# Altium PCB тройничок.PcbDoc (part 3 of 5)
Units mm, origin at the board's own origin, x right, y up, seen from the top; angles counter-clockwise.
Board outline 158.1 x 53.48 mm, 4 copper layers (Top Layer 1, Top Layer, Bottom Layer, Bottom Layer 1), stack 0.603 mm thick; 336 components, 130 nets, 2093 pads, 689 vias.
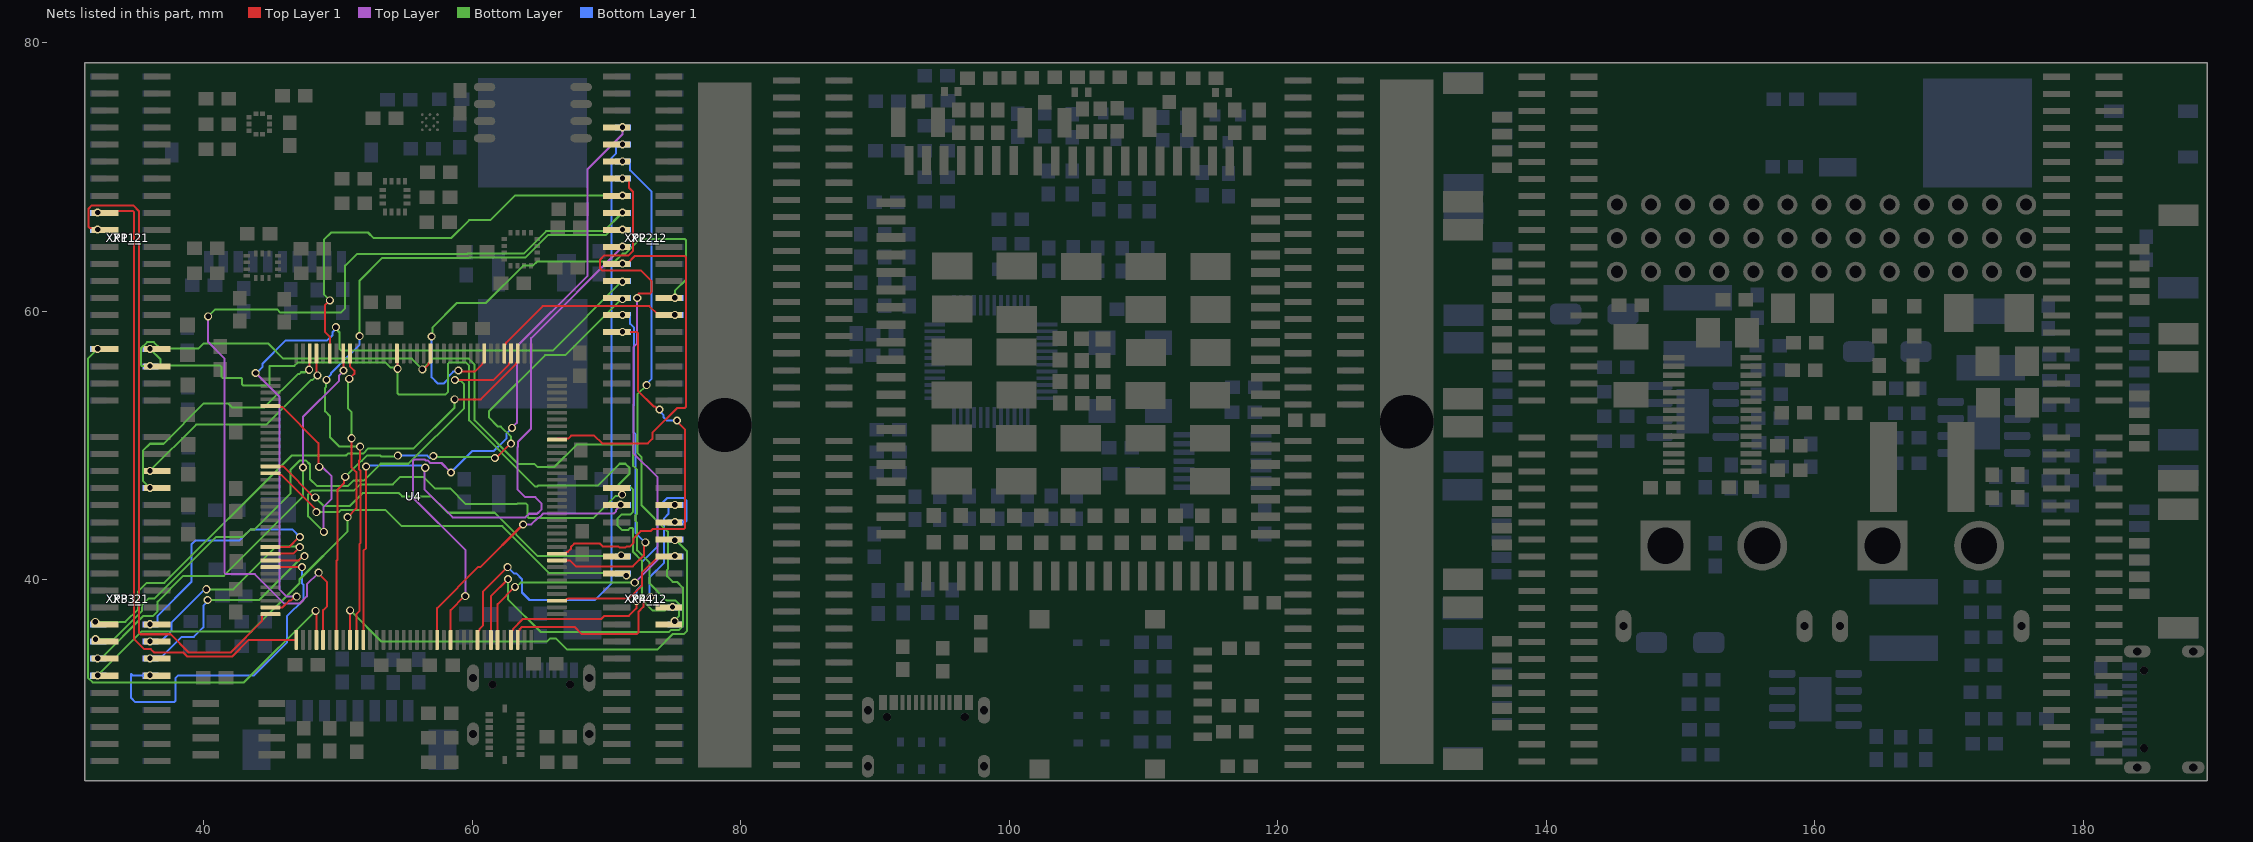
[diagram p5: the nets of this part, all layers, seen from the top]

## Via types
v1: diameter 0.6, hole 0.4, Top Layer 1 to Bottom Layer 1, 394 vias
v2: diameter 0.7, hole 0.5, Top Layer 1 to Bottom Layer 1, 186 vias
v3: diameter 0.8, hole 0.6, Top Layer 1 to Bottom Layer 1, 108 vias
v4: diameter 0.6, hole 0.3, Top Layer 1 to Bottom Layer 1, 1 vias

## Nets (pads, with @x,y where several pads share a name; then routed paths per layer and width w, separated by ;. In a path a pad name is that pad's centre, name@x,y a point inside that pad or via, vN(x,y) a via of type N, cw(c..) or ccw(c..) an arc to the next point about the centre after c; other vN are vias at no path point) (continued)
NetU4_5: U4.5 XP4_1.7 XP4_2.7 | length 43.2
  Top Layer 1 w0.15: U4.5@44.98,52.95 45.575,52.95 45.64,52.885 45.854,52.885 48.55,50.189 v1@48.55,48.418 ; XP4_1.7@70.7,46.8 71.055,46.8 71.175,46.68 v1(71.175,46.349)
  Top Layer w0.15: v1@48.625,48.425 48.719,48.331 48.927,48.331 49.541,47.717 49.541,46.047 48.935,45.442 48.935,43.597 v1(48.959,43.573)
  Bottom Layer w0.15: v1(48.959,43.573) 48.952,43.573 47.791,44.734 47.791,46.36 48.106,46.675 51.216,46.675 51.658,47.118 54.105,47.118 54.663,47.675 56.366,47.675 57.224,46.818 58.361,46.818 59.536,45.643 63.336,45.643 63.394,45.7 63.996,45.7 64.136,45.56 64.136,44.688 64.224,44.6 69.025,44.6 70.688,46.263 71.089,46.263 v1(71.175,46.349)
  Bottom Layer 1 w0.15: v1(71.175,46.349) 71.175,46.755 XP4_2.7@71.25,46.83
  other v1: 48.616,48.418
NetU4_14: U4.14 XP4_1.15 XP4_2.15 | length 29.6
  Top Layer 1 w0.15: U4.14@44.98,48.45 45.925,48.45 v1@48.25,46.125
  Bottom Layer w0.15: v1@48.332,46.143 48.332,46.126 48.958,45.5 50.889,45.5 51.862,46.473 54.539,46.473 54.787,46.225 56.968,46.225 58.193,45 61.677,45 64.902,41.775 71.05,41.775 v1(71.1,41.825)
  other v1: 48.316,46.143
NetU4_15: U4.15 XP4_1.17 XP4_2.17 | length 29.6
  Top Layer 1 w0.15: U4.15@44.98,47.95 45.575,47.95 45.71,47.815 45.788,47.815 v1@48.314,45.289
  Bottom Layer w0.15: v1(48.4,45.05) 50.073,45.05 50.223,45.2 53.566,45.2 54.766,44 62.252,44 65.748,40.505 70.895,40.505 70.991,40.409 71.409,40.409 v1(71.495,40.323)
NetU4_26: U4.26 XP3_1.24 XP3_2.24 | length 18.7
  Top Layer 1 w0.15: U4.26@44.98,42.45 46.375,42.45 v1@47.1,43.175
  Bottom Layer 1 w0.15: v1(36.005,36.695) 36.45,36.695 36.575,36.82 36.575,37.322 39.1,39.847 39.1,42.65 39.4,42.95 42.681,42.95 43.498,43.768 46.591,43.768 v1(47.166,43.193)
NetU4_27: U4.27 XP3_1.26 XP3_2.26 | length 16.9
  Top Layer 1 w0.15: U4.27@44.98,41.95 46.671,41.95 v1(47.161,42.439)
  Bottom Layer w0.15: v1(40.2,39.3) 42.223,39.3 45.416,42.493 47.107,42.493 v1(47.161,42.439)
  Bottom Layer 1 w0.15: v1(36.005,35.425) 36.825,35.425 37.616,36.216 37.616,36.834 40.082,39.3 v1(40.2,39.3)
NetU4_28: U4.28 XP3_1.28 XP3_2.28 | length 18.3
  Top Layer 1 w0.15: U4.28@44.98,41.45 47.09,41.45 47.41,41.77 v1(47.512,41.77)
  Bottom Layer w0.15: v1(40.3,38.5) 44.133,38.5 47.402,41.77 v1(47.512,41.77)
  Bottom Layer 1 w0.15: v1(36.005,34.155) 36.13,34.28 36.887,34.28 38.357,35.75 39.268,35.75 39.975,36.457 39.975,38.083 40.3,38.408 v1(40.3,38.5)
NetU4_29: U4.29 XP3_1.30 XP3_2.30 | length 26.3
  Top Layer 1 w0.15: U4.29@44.98,40.95 v1(47.325,40.95)
  Bottom Layer 1 w0.15: v1(36.005,32.885) 34.715,32.885 34.6,33 34.6,31.2 34.9,30.9 37.812,30.9 37.9,30.988 37.9,32.685 38.1,32.885 43.753,32.885 46.2,35.332 46.2,37.283 47.45,38.533 47.45,39.618 47.325,39.743 v1(47.325,40.95)
NetU4_35: U4.35 XP2_1.25 XP2_2.25 | length 53.4
  Top Layer 1 w0.15: U4.35@44.98,37.95 45.875,37.95 46.376,38.451 46.504,38.451 46.803,38.75 v1(46.925,38.75)
  Top Layer w0.15: v1(43.875,55.41) 45.656,53.629 45.656,39.769 45.65,39.764 45.65,39.308 46.208,38.75 v1(46.925,38.75)
  Bottom Layer w0.15: v1(49.85,58.825) 49.85,58.703 50.125,58.428 50.125,57.213 50.263,57.075 65.995,57.075 71.125,62.205 v1(71.205,62.205)
  Bottom Layer 1 w0.15: v1(43.875,55.41) 43.949,55.41 44.4,55.86 44.4,56.119 46.093,57.813 49.188,57.813 49.601,58.226 49.601,58.454 49.85,58.703 v1(49.85,58.825)
NetU4_36: U4.36 XP1_1.19 XP1_2.19 | length 49.4
  Top Layer 1 w0.15: v1(32.105,66.095) 31.979,66.22 31.505,66.22 31.425,66.3 31.425,67.658 31.656,67.89 34.747,67.89 35.2,67.436 35.2,36.038 35.288,35.95 37.544,35.95 38.901,34.593 42.008,34.593 44.355,36.939 44.355,37.385 44.42,37.45 U4.36@44.98,37.45
NetU4_37: U4.37 XP1_1.17 XP1_2.17 | length 47.7
  Top Layer 1 w0.15: v1(32.105,67.365) 32.215,67.475 34.737,67.475 34.825,67.387 34.825,35.582 35.57,34.837 36.065,34.837 36.309,34.593 38.476,34.593 38.776,34.293 42.132,34.293 43.37,35.53 U4.37@46.9,35.53
NetU4_40: U4.40 XP1_1.33 XP1_2.33 | length 46.2
  Top Layer 1 w0.15: U4.40@48.4,35.53 v1@48.4,37.6
  Bottom Layer w0.15: v1(32.105,57.205) 31.403,56.503 31.403,32.684 31.728,32.36 43.008,32.36 48.273,37.625 v1@48.375,37.625
  other v1: 48.341,37.693
NetU4_41: U4.41 XP2_1.17 XP2_2.17 | length 70.6
  Top Layer 1 w0.15: v1@48.5,40.525 49.2,39.825 49.2,38.04 48.9,37.74 U4.41@48.9,35.53
  Top Layer w0.15: v1(40.335,59.625) 40.335,57.716 41.575,56.476 41.575,54.678 41.544,54.648 41.544,40.543 41.663,40.425 43.817,40.425 46.017,38.225 47.142,38.225 47.686,38.769 47.686,39.663 48.525,40.502 v1@48.525,40.525
  Bottom Layer w0.15: v1(40.335,59.625) 40.86,60.15 45.472,60.15 45.722,59.9 50.212,59.9 50.55,60.238 50.55,63.4 51.436,64.286 59.657,64.286 59.671,64.3 63.838,64.3 65.513,65.975 69.815,65.975 v1(71.205,67.365)
  other v1: 48.566,40.543
NetU4_43: U4.43 XP2_1.27 XP2_2.27 | length 42.8
  Top Layer 1 w0.15: U4.43@49.9,35.53 49.9,41.42 49.975,41.495 49.975,46.725 50.464,47.214 50.464,47.589 v1(50.55,47.675) ; v1(61.7,49.075) 61.763,49.075 62.838,50.15 v1(62.9,50.15)
  Bottom Layer w0.15: v1(50.55,47.675) 51.747,48.872 51.78,48.872 52.182,49.275 53.142,49.275 53.242,49.175 54.4,49.175 v1(54.475,49.25) ; v1(57.115,49.23) 57.192,49.152 61.623,49.152 v1(61.7,49.075) ; v1(62.9,50.15) 62.9,50.659 62.139,51.42 61.928,51.42 61.241,52.108 61.241,52.542 65.434,56.736 66.926,56.736 71.105,60.915 v1(71.205,60.915)
  Bottom Layer 1 w0.15: v1(54.475,49.25) 56.663,49.25 56.838,49.075 56.993,49.23 v1(57.115,49.23)
NetU4_45: U4.45 XP4_1.14 XP4_2.14 | length 36.4
  Top Layer 1 w0.15: U4.45@50.9,35.53 50.911,35.541 50.911,37.718 v1(50.921,37.729)
  Bottom Layer w0.15: v1@50.975,37.625 51.025,37.625 53.25,35.4 65.563,35.4 65.808,35.645 66.242,35.645 67.087,34.8 73.787,34.8 74.962,35.975 75.787,35.975 76,36.188 76,42.149 75.185,42.965 v1(75.105,42.965)
NetU4_46: U4.46 XP2_1.19 XP2_2.19 | length 51.2
  Top Layer 1 w0.15: U4.46@51.4,35.53 51.4,37.465 51.6,37.665 51.6,42.666 51.675,42.741 51.675,48.141 51.578,48.238 51.578,48.902 51.666,48.99 v1(51.666,49.925)
  Bottom Layer w0.15: v1(49.154,54.904) 49.135,54.885 49.135,54.379 49.06,54.304 49.06,52.55 49.416,52.194 49.416,50.6 ; 49.45,50.6 50.125,49.925 v1(51.666,49.925) ; v1(51.625,58.15) 51.625,62.3 53.311,63.986 59.782,63.986 59.795,64 63.963,64 65.638,65.675 69.939,65.675 70.359,66.095 v1(71.205,66.095)
  Bottom Layer 1 w0.15: v1(49.154,54.904) 49.154,54.965 49.494,55.305 49.494,55.412 50.711,56.628 50.728,56.628 51.625,57.525 51.625,58.075 51.65,58.1 51.625,58.125 v1(51.625,58.15)
NetU4_47: U4.47 XP2_1.21 XP2_2.21 | length 53
  Top Layer 1 w0.15: U4.47@51.9,35.53 51.9,42.155 52.1,42.355 52.1,48.441 v1(52.103,48.445)
  Top Layer w0.15: v1@56.45,48.35 56.45,46.743 58.543,44.65 63.966,44.65 64.241,44.925 64.825,44.925 64.9,45 64.936,45 65.186,45.25 65.186,45.685 64.704,46.168 63.948,46.168 63.399,46.717 63.399,49.906 63.425,49.933 63.425,50.307 64.391,51.273 64.391,58.011 v1(71.205,64.825)
  Bottom Layer 1 w0.15: v1(52.103,48.445) 52.178,48.519 56.219,48.519 56.388,48.35 v1(56.51,48.35)
NetU4_58: U4.58 XP4_1.9 XP4_2.9 | length 19.3
  Top Layer 1 w0.15: U4.58@57.4,35.53 57.4,37.9 60.473,40.973 60.641,40.973 63.793,44.125 v1(63.797,44.125)
  Top Layer w0.15: v1(63.797,44.125) 63.804,44.132 64.413,44.132 64.907,44.625 64.949,44.625 65.024,44.7 65.06,44.7 65.303,44.943 70.563,44.943 70.721,45.101 70.721,45.207 71.064,45.55 v1(71.064,45.607)
NetU4_60: U4.60 XP2_1.7 XP2_2.7 | length 50.5
  Top Layer 1 w0.15: U4.60@58.4,35.53 58.4,37.75 v1@59.425,38.775
  Top Layer w0.15: v1@58.375,48.05 57.72,48.705 56.898,48.705 56.727,48.875 56.558,48.875 56.458,48.975 55.688,48.975 55.6,48.887 55.6,46.126 59.491,42.235 v1(59.491,38.793) ; v1(62.976,51.326) 62.976,51.338 63.341,51.703 63.341,57.385 68.585,62.629 68.585,70.567 71.205,73.187 v1(71.205,73.715)
  Bottom Layer 1 w0.15: v1(58.425,48) 60.025,49.6 61.608,49.6 62.566,50.558 62.566,50.916 v1(62.976,51.326)
NetU4_64: U4.64 XP2_1.9 XP2_2.9 | length 49.4
  Top Layer 1 w0.15: U4.64@60.4,35.53 60.4,36.125 60.535,36.26 60.535,36.338 60.825,36.628 60.825,39.15 62.625,40.95 v1(62.65,40.95)
  Bottom Layer 1 w0.15: v1(62.65,40.95) 63.138,40.462 63.314,40.462 63.716,40.06 63.716,39.059 64.275,38.5 ; 64.275,38.493 69.143,38.493 70.375,39.725 70.375,71.418 70.725,71.768 70.725,72.27 70.9,72.445 v1(71.205,72.445)
NetU4_66: U4.66 XP2_1.11 XP2_2.11 | length 58.6
  Top Layer 1 w0.15: U4.66@61.4,35.53 61.4,38.775 v1(62.675,40.05)
  Bottom Layer w0.15: v1(62.675,40.05) 62.666,40.041 62.666,38.568 65.133,36.1 74.663,36.1 74.838,36.275 75.428,36.275 75.688,36.535 75.688,36.612 75.7,36.625 75.7,39.413 75.263,39.85 74.937,39.85 74.525,40.262 74.525,40.738 74.58,40.793 74.58,43.598 72.6,45.577 72.6,49.166 72.313,49.453 72.313,53.813 v1(73,54.5)
  Bottom Layer 1 w0.15: v1(71.205,71.175) 71.6,71.175 71.775,71 71.775,70.498 73.375,68.898 73.375,54.974 73,54.599 v1(73,54.5)
NetU4_67: U4.67 XP2_1.13 XP2_2.13 | length 52
  Top Layer 1 w0.15: U4.67@61.9,35.53 61.9,38.184 v1(63.191,39.475) ; v1(71.205,69.905) 71.5,69.905 71.675,69.73 71.675,69.228 71.975,68.928 71.975,64.482 71.658,64.165 69.842,64.165 69.525,63.848 69.525,63.212 69.707,63.03 72.588,63.03 73.375,62.242 73.375,61.45 73.25,61.325 72.388,61.325 72.386,61.323 72.386,61.086 v1(72.3,61)
  Top Layer w0.15: v1(72.117,39.798) 73.825,41.506 73.825,44.134 73.825,47.632 72.013,49.444 72.013,57.338 72.3,57.626 v1(72.3,61)
  Bottom Layer w0.15: v1(63.191,39.475) 63.288,39.475 63.611,39.798 v1(72.117,39.798)
NetU4_69: U4.69 XP4_1.12 XP4_2.12 | length 23.8
  Top Layer 1 w0.15: U4.69@62.9,35.53 62.9,36.125 63.035,36.26 63.035,36.338 63.782,37.085 69.622,37.085 69.862,37.325 71.678,37.325 72.236,37.883 v1(72.236,38.411)
  Bottom Layer 1 w0.15: v1(72.236,38.411) 72.236,39.175 72.642,39.58 72.642,41.317 73.825,42.5 73.825,45.378 74.556,46.11 75.744,46.11 75.975,45.878 75.975,44.403 75.887,44.315 v1(75.105,44.315)
NetU4_70: U4.70 XP4_1.10 XP4_2.10 | length 20.9
  Top Layer 1 w0.15: U4.70@63.4,35.53 63.4,36.125 63.535,36.26 63.535,36.338 63.687,36.49 67.63,36.49 68.134,35.986 72.298,35.986 72.386,36.074 72.386,37.609 72.761,37.984 72.761,38.261 73.213,38.713 v1(73.28,38.713)
  Bottom Layer 1 w0.15: v1(73.28,38.713) 73.2,38.793 73.2,40.175 74.3,41.275 74.3,44.583 74.625,44.908 74.625,45.41 74.8,45.585 v1(75.105,45.585)
NetU4_75: U4.75 XP4_1.16 XP4_2.16 | length 10.7
  Top Layer 1 w0.15: U4.75@66.32,38.45 66.915,38.45 67.05,38.585 67.128,38.585 67.143,38.6 71.683,38.6 72.642,39.558 72.642,40.517 73.9,41.775 v1(75.105,41.775)
NetU4_81: U4.81 XP2_1.29 XP2_2.29 | length 26
  Top Layer 1 w0.15: U4.81@66.32,41.45 67.28,41.45 67.73,41 71.967,41 72.818,41.851 72.818,42.718 v1(72.9,42.8)
  Bottom Layer 1 w0.15: v1(71.205,59.745) 71.6,59.745 71.775,59.57 71.775,59.068 72.075,58.768 72.075,53.052 72.013,52.989 72.013,51.021 72.175,50.858 72.175,43.483 72.858,42.8 v1(72.9,42.8)
NetU4_82: U4.82 XP2_1.31 XP2_2.31 | length 28.6
  Top Layer 1 w0.15: U4.82@66.32,41.95 66.915,41.95 67.05,42.085 67.128,42.085 67.367,42.325 67.367,42.46 67.607,42.7 69.527,42.7 69.727,42.5 70.887,42.5 70.962,42.425 71.438,42.425 71.513,42.5 71.773,42.5 72.025,42.752 72.025,43.092 72.558,43.625 73.288,43.625 73.452,43.79 75.777,43.79 75.875,43.888 75.875,51.175 v1@75.2,51.85 ; v1(71.205,58.475) 72.262,58.475 72.35,58.387 72.35,54.083 73.513,52.92 73.611,52.92 73.836,52.695 v1(73.958,52.695)
  Bottom Layer 1 w0.15: v1(73.958,52.695) 73.958,52.581 74.272,52.267 74.272,52.096 74.5,51.868 v1(75.266,51.868)
NetU4_99: U4.99 XP2_1.23 XP2_2.23 | length 27.5
  Top Layer 1 w0.15: U4.99@66.32,50.45 66.385,50.515 67.148,50.515 67.383,50.75 69.097,50.75 69.679,50.168 73.083,50.168 73.425,50.509 73.425,50.958 75.267,52.8 75.837,52.8 75.925,52.888 75.925,64.037 75.837,64.125 72.12,64.125 71.55,63.555 v1(71.205,63.555)
NetU4_111: U4.111 XP3_1.23 XP3_2.23 | length 41.3
  Top Layer 1 w0.15: v1(58.7,53.45) 60.653,53.45 63.265,56.062 63.265,56.14 63.4,56.275 U4.111@63.4,56.87
  Bottom Layer w0.15: v1(31.928,36.871) 34.171,36.871 35.125,37.825 35.125,39.138 35.762,39.775 37.075,39.775 46.563,49.263 50.609,49.263 50.746,49.4 51.883,49.4 52.276,49.793 55.651,49.793 58.7,52.841 v1(58.7,53.45)
NetU4_112: U4.112 XP3_1.25 XP3_2.25 | length 46.2
  Top Layer 1 w0.15: v1@58.716,54.875 61.578,54.875 62.765,56.062 62.765,56.14 62.9,56.275 U4.112@62.9,56.87
  Bottom Layer w0.15: v1(31.943,35.586) 33.31,35.586 35.425,37.701 35.425,38.138 35.912,38.625 36.349,38.625 40.929,43.205 42.936,43.205 43.498,43.768 43.808,43.768 46.467,46.426 46.467,48.184 47.183,48.9 47.617,48.9 47.925,48.592 47.925,47.505 48.455,46.975 50.741,46.975 51.183,47.418 51.958,47.418 53.191,48.65 55.251,48.65 59.4,52.799 59.4,54.586 59.18,54.806 58.894,54.806 v1@58.675,55.025
  other v1: 58.716,54.893
NetU4_113: U4.113 XP2_1.30 XP2_2.30 | length 14.8
  Top Layer 1 w0.15: U4.113@62.4,56.87 62.4,57.465 62.535,57.6 62.535,57.678 65.247,60.39 73.205,60.39 73.85,59.745 v1(75.105,59.745)
NetU4_116: U4.116 XP2_1.28 XP2_2.28 | length 35.6
  Top Layer 1 w0.15: v1(58.972,55.597) 59.044,55.525 60.228,55.525 60.765,56.062 60.765,56.14 60.9,56.275 U4.116@60.9,56.87
  Bottom Layer w0.15: v1(56.982,58.123) 57.056,58.197 57.056,58.811 58.87,60.625 61.025,60.625 63.8,63.4 64.533,63.4 64.833,63.7 70.608,63.7 71.207,64.3 71.422,64.3 72.523,65.4 75.842,65.4 75.93,65.312 75.93,62.367 75.105,61.542 v1(75.105,61.015)
  Bottom Layer 1 w0.15: v1(56.982,58.123) 56.982,55.091 57.448,54.625 57.883,54.625 58.191,54.933 58.191,55.11 58.592,55.511 58.886,55.511 v1(58.972,55.597)
NetU4_124: U4.124 XP1_1.36 XP1_2.36 XP4_1.24 XP4_2.24 | length 63.4
  Top Layer 1 w0.15: v1(56.293,55.685) 56.388,55.685 56.765,56.062 56.765,56.14 56.9,56.275 U4.124@56.9,56.87
  Bottom Layer w0.15: v1@36.025,55.9 36,55.925 35.413,55.925 35.325,56.013 35.325,57.232 35.798,57.705 36.299,57.705 36.753,57.25 39.631,57.25 39.998,57.618 44.798,57.618 45.941,56.475 55.508,56.475 56.293,55.691 v1(56.293,55.685) ; v1@56.375,55.727 56.375,55.767 57.083,56.475 59.75,56.475 60.191,56.034 60.191,51.884 63.457,48.618 64.658,48.618 64.878,48.398 66.102,48.398 67.779,50.075 71.912,50.075 72,49.987 72,48.491 72.3,48.191 72.3,44.942 72.175,44.817 72.175,44.383 72.3,44.258 72.3,42.199 73.22,41.279 73.22,39.73 74.475,38.475 75.132,38.475 75.425,38.182 75.425,37.331 75.125,37.031 v1@75.125,36.9
  other v1: 75.089,36.925 36.005,55.935
NetU4_129: U4.129 XP1_1.34 XP1_2.34 XP4_1.22 XP4_2.22 | length 67.8
  Top Layer 1 w0.15: U4.129@54.4,56.87 54.425,56.845 54.425,55.75 v1(54.45,55.725)
  Bottom Layer w0.15: v1@36.025,57.175 36.034,57.175 36.79,56.42 36.79,55.95 41.237,55.95 41.325,55.862 41.325,55.138 41.413,55.05 42.787,55.05 42.875,54.962 42.875,54.563 42.963,54.475 44.837,54.475 44.925,54.563 44.925,55.925 ; 44.925,55.935 46.767,55.935 47.007,56.175 53.558,56.175 53.925,55.808 54.367,55.808 v1(54.45,55.725) 54.45,53.897 54.538,53.81 55.05,53.81 55.06,53.8 58,53.8 58.191,53.991 58.191,55.11 58.2,55.119 58.2,56.087 58.288,56.175 59.55,56.175 59.775,55.95 59.775,51.875 64.711,46.939 64.835,46.939 64.909,47.012 69.345,47.012 70.983,48.65 71.417,48.65 71.725,48.342 71.725,47.907 70.904,47.086 70.904,46.962 70.991,46.874 71.838,46.874 72,46.712 72,45.067 71.785,44.852 71.661,44.852 71.638,44.875 71.162,44.875 70.825,44.538 70.825,44.062 71.162,43.725 71.638,43.725 71.788,43.875 71.912,43.875 72,43.787 72,42.075 72.642,41.433 72.642,38.748 72.761,38.628 72.761,38.396 73.43,37.728 74.35,37.728 74.511,37.889 74.839,37.889 v1(74.925,37.975)
  other v1: 36.005,57.205
NetU4_136: U4.136 XP3_1.29 XP3_2.29 | length 37.4
  Top Layer 1 w0.15: v1(50.725,44.675) 51.375,45.325 51.375,48.017 51.025,48.367 v1(51.025,50.55) ; v1(50.847,54.976) 50.851,54.976 51.225,55.35 51.225,55.585 50.9,55.91 U4.136@50.9,56.87
  Bottom Layer w0.15: v1(32.105,32.885) 35.39,36.17 43.562,36.17 47.144,39.751 47.144,40.026 50.725,43.608 v1(50.725,44.675) ; v1@50.85,55 50.85,54.857 50.76,54.767 50.76,52.752 51.025,52.487 v1(51.025,50.55)
NetU4_137: U4.137 XP3_1.27 XP3_2.27 | length 32.7
  Top Layer 1 w0.15: U4.137@50.4,56.87 50.412,56.858 50.412,55.613 v1(50.425,55.6)
  Top Layer w0.15: v1(47.4,48.375) 47.4,52.133 50.075,54.808 50.075,55.208 50.425,55.558 v1(50.425,55.6) v1@50.425,55.625
  Bottom Layer w0.15: v1(32.105,34.155) 32.191,34.241 32.441,34.241 35.525,37.325 36.238,37.325 36.575,37.662 36.575,38.375 38.493,40.293 41.508,40.293 47.4,46.184 v1(47.4,48.375)
NetU4_139: U4.139 XP2_1.15 XP2_2.15 | length 32.9
  Top Layer 1 w0.15: U4.139@49.4,56.87 49.4,58.108 49.025,58.483 49.025,60.45 v1(49.4,60.825)
  Bottom Layer w0.15: v1@49.375,60.85 48.964,61.261 48.964,65.326 49.513,65.875 52.243,65.875 52.668,65.45 58.427,65.45 59.777,66.8 61.357,66.8 63.182,68.625 71.195,68.625 v1(71.205,68.635)
NetU4_141: U4.141 XP3_1.6 XP3_2.6 | length 17.1
  Top Layer 1 w0.15: U4.141@48.4,56.87 48.4,55.314 v1(48.48,55.234)
  Bottom Layer w0.15: v1(36.005,48.125) 39.442,51.562 44.662,51.562 47.983,54.883 48.089,54.883 48.44,55.234 v1(48.48,55.234)
NetU4_142: U4.142 XP3_1.8 XP3_2.8 | length 19.3
  Top Layer 1 w0.15: v1(47.856,55.65) 47.878,55.672 47.878,56.848 U4.142@47.9,56.87
  Bottom Layer w0.15: v1(36.005,46.855) 35.48,47.38 35.48,49.612 36.007,50.14 37.02,50.14 40.023,53.143 41.818,53.143 42.118,52.842 44.532,52.842 47.042,55.352 47.148,55.352 47.261,55.465 47.549,55.465 47.734,55.65 v1(47.856,55.65)
VCC: 
pads on no net: _1. _1.1 _1.2 _1.3 _1.4 _1.5 _1.6 _1.7 _1.8 _1.9 _1.10 _1.11 _1.12 _1.13 _1.14 _1.15 _1.16 _1.17 _1.18 _1.19 _1.20 _1.21 _1.22 _1.23 _1.24 _1.25 _1.26 _1.27 _1.28 _1.29 _1.30 _1.31 _1.32 _1.33 _1.34 _1.35 _1.36 _1.37 _1.38 _1.39 _1.40 _1.A _1.A1_B12 _1.A4_B9 _1.A5 _1.A6 _1.A7 _1.A8 _1.B1_A12 _1.B4_A9 _1.B5 _1.B6 _1.B7 _1.B8 _1.C _1.S _1.S1 _1.S2 _1.S3 _1.S4 _2.1 _2.2 C1_1.1 C1_1.2 C1_2.1 C1_2.2 C2_1.1 C2_1.2 C2_2.1 C2_2.2 C3_1.1 C3_1.2 C3_2.1 C3_2.2 C4_1.1 C4_1.2 C4_2.1 C4_2.2 C5_1.1 C5_1.2 C5_2.1 C5_2.2 C6_1.1 C6_1.2 C6_2.1 C6_2.2 C7_1.1 C7_1.2 C7_2.1 C7_2.2 C8_1.1 C8_1.2 C8_2.1 C8_2.2 C9_1.1 C9_1.2 C9_2.1 C9_2.2 C10_1.1 C10_1.2 C10_2.1 C10_2.2 C11_1.1 C11_1.2 C11_2.1 C11_2.2 C12_1.1 C12_1.2 C12_2.1 C12_2.2 C13_1.1 C13_1.2 C13_2.1 C13_2.2 C14_1.1 C14_1.2 C14_2.1 C14_2.2 C15_1.1 C15_1.2 C15_2.1 C15_2.2 C16_1.1 C16_1.2 C16_2.1 C16_2.2 C17_1.1 C17_1.2 C17_2.1 C17_2.2 C18_1.1 C18_1.2 C18_2.1 C18_2.2 C19_1.1 C19_1.2 C19_2.1 C19_2.2 C20_1.1 C20_1.2 C20_2.1 C20_2.2 C21_1.1 C21_1.2 C21_2.1 C21_2.2 C22_1.1 C22_1.2 C22_2.1 C22_2.2 C23_1.1 C23_1.2 C23_2.1 C23_2.2 C24_1.1 C24_1.2 C24_2.1 C24_2.2 C25_1.1 C25_1.2 C25_2.1 C25_2.2 C26_1.1 C26_1.2 C26_2.1 C26_2.2 C27_1.1 C27_1.2 C27_2.1 C27_2.2 C28_1.1 C28_1.2 C28_2.1 C28_2.2 C29_1.1 C29_1.2 C29_2.1 C29_2.2 C30_1.1 C30_1.2 C30_2.1 C30_2.2 C31_1.1 C31_1.2 C31_2.1 C31_2.2 C32_1.1 C32_1.2 C33_1.1 C33_1.2 C34_1.1 C34_1.2 D3.D4 D4.2 D4.3 D4.10 D4.11 D.9 D.CD HL1.1@99.991,77.399 HL1.2@101.691,77.399 HL2.1@106.541,77.449 HL2.2@108.241,77.449 HL3.1@113.717,77.349 HL3.2@115.417,77.349 HL4.1@104.716,72.974 HL4.2@104.716,74.674 HL5.1 HL5.2 HL6.1 HL6.2 HL7.1 HL7.2 HL8.1 HL8.2 HL9.1 HL9.2 L1.1 L1.2 L2.1 L2.2 L3.1 L3.2 P1.1 P1.2 P1.3 P1.4 P1.5 P1.6 P1.S1 P1.S2 P1.S3 P1.S4 P.S R1_2.1 R1_2.2 R2_1.1 R2_1.2 R2_2.1 R2_2.2 R3_1.1 R3_1.2 R3_2.1 R3_2.2 R4_1.1 R4_1.2 R4_2.1 R4_2.2 R5_1.1 R5_1.2 R5_2.1 R5_2.2 R6_1.1 R6_1.2 R6_2.1 R6_2.2 R7_1.1 R7_1.2 R7_2.1 R7_2.2 R8_1.1 R8_1.2 R8_2.1 R8_2.2 R9_1.1 R9_1.2 R9_2.1 R9_2.2 R10_1.1 R10_1.2 R10_2.1 R10_2.2 R11_1.1 R11_1.2 R11_2.1 R11_2.2 R12_1.1 R12_1.2 R12_2.1 R12_2.2 R13_1.1 R13_1.2 R13_2.1 R13_2.2 R14_1.1 R14_1.2 R14_2.1 R14_2.2 R15_1.1 R15_1.2 R15_2.1 R15_2.2 R16_1.1 R16_1.2 R16_2.1 R16_2.2 R17_1.1 R17_1.2 R17_2.1 R17_2.2 R18_1.1 R18_1.2 R18_2.1 R18_2.2 R19_1.1 R19_1.2 R19_2.1 R19_2.2 R20_1.1 R20_1.2 R20_2.1 R20_2.2 R21_1.1 R21_1.2 R21_2.1 R21_2.2 R22_1.1 R22_1.2 R22_2.1 R22_2.2 R23_1.1 R23_1.2 R23_2.1 R23_2.2 R24_1.1 R24_1.2 R24_2.1 R24_2.2 R25_1.1 R25_1.2 R25_2.1 R25_2.2 R26_1.1 R26_1.2 R26_2.1 R26_2.2 R27_1.1 R27_1.2 R27_2.1 R27_2.2 R28_1.1 R28_1.2 R28_2.1 R28_2.2 R29_1.1 R29_1.2 R29_2.1 R29_2.2 R30_1.1 R30_1.2 R30_2.1 R30_2.2 R31_1.1 R31_1.2 R32_1.1 R32_1.2 R32_2.1 R32_2.2 R33_1.1 R33_1.2 R33_2.1 R33_2.2 R34_1.1 R34_1.2 R34_2.1 R34_2.2 R35_1.1 R35_1.2 R35_2.1 R35_2.2 R36_1.1 R36_1.2 R36_2.1 R36_2.2 R37_1.1 R37_1.2 R37_2.1 R37_2.2 R38_1.1 R38_1.2 R38_2.1 R38_2.2 R39_1.1 R39_1.2 R39_2.1 R39_2.2 R40_1.1 R40_1.2 R41_1.1 R41_1.2 R42_1.1 R42_1.2 R43.1 R43.2 R44.1 R44.2 R45.1 R45.2 R46.1 R46.2 R?.1 R?.2 TYPE-C1. TYPE-C1.A1_B12 TYPE-C1.A8 TYPE-C1.B1_A12 TYPE-C1.B8 TYPE-C1.S1 TYPE-C1.S2 TYPE-C1.S3 TYPE-C1.S4 U1.1@92.541,40.299 U1.2@93.841,40.299 U1.3@95.141,40.299 U1.4@96.441,40.299 U1.5@97.741,40.299 U1.6@99.041,40.299 U1.7@100.341,40.299 U1.8@104.741,40.299 U1.9 U1.10 U1.11 U1.12 U1.13 U1.14 U1.15 U1.16 U1.17 U1.18 U1.19 U1.20 U1.21 U1.22 U1.23 U1.24 U1.25 U1.26 U1.27 U1.28 U1.29 U1.30 U1.31 U1.32 U1.33 U1.34 U1.35 U1.36 U1.37 U1.38 U1.39 U1.40 U1.41 U1.42 U1.43 U1.44 U1.45 U1.46 U1.47 U1.48 U1.49 U1.50 U1.51 U1.52 U1.53 U1.54 U1.55 U1.56 U1.57 U1.58 U1.59 U1.60 U1.61 U1.62 U1.63 U1.64 U1.65 U1.66 U1.67 U1.68 U1.69 U1.70 U1.71 U1.72 U1.73 U1.74 U1.75 U1.76 U1.77 U1.78 U1.79 U1.80 U1.81 U1.82 U1.83 U1.84 U1.85 U1.86 U1.87 U1.88 U1.89 U1.90 U1.91 U1.92 U1.93 U1.94 U1.95 U1.96 U1.97 U1.98 U1.99 U1.100 U1.101 U1.102 U1.103 U1.104 U1.105 U1.106 U1.107 U1.108 U1.109 U1.110 U1.111 U1.112 U1.113 U1.114 U1.115 U1.116 U1.117 U1.118 U1.119 U1.120 U1.121 U1.122 U1.123 U1.124 U1.125 U1.126 U1.127 U1.128 U1.129 U1.130 U1.131 U1.132 U1.133 U1.134 U1.135 U1.136 U1.137 U1.138 U1.139 U1.140 U1.141 U1.142 U1.143 U1.144 U2.1@113.026,46.899 U2.2 U2.3 U2.4@113.026,48.849 U2.5@113.026,49.499 U2.6@113.026,50.149 U2.7@113.026,50.799 U2.8@118.766,50.799 U2.9@118.766,50.149 U2.10 U2.11 U2.12@118.766,48.199 U2.13@118.766,47.549 U2.14@118.766,46.899 U3.1@94.462,53.524 U3.2@94.462,54.024 U3.3 U3.4@94.462,55.024 U3.5 U3.6 U3.7 U3.8@94.462,57.024 U3.9@94.462,57.524 U3.10@94.462,58.024 U3.11@94.462,58.524 U3.12@94.462,59.024 U3.13@95.891,60.454 U3.14 U3.15 U3.16@97.391,60.454 U3.17 U3.18 U3.19 U3.20 U3.21 U3.22 U3.23 U3.24 U3.25 U3.26 U3.27 U3.28 U3.29 U3.30 U3.31 U3.32 U3.33 U3.34 U3.35 U3.36 U3.37 U3.38 U3.39 U3.40 U3.41 U3.42 U3.43 U3.44 U3.45 U3.46 U3.47 U3.48 U4.7 U4.12 U4.13 U4.18 U4.19 U4.20 U4.21 U4.44 U4.56 U4.57 U4.59 U4.63 U4.65 U4.68 U4.71 U4.76 U4.77 U4.78 U4.79 U4.80 U4.87 U4.96 U4.97 U4.102 U4.106 U4.118 U4.119 U4.122 U4.128 U4.140 U4.143 VD1.A VD1.C VD2.A VD2.C VD3.A VD3.C VD4.A VD4.C VD5.A VD5.C VD6.A VD6.C VD7.A VD7.C VT1.1 VT1.2 VT1.3 VT2.1 VT2.2 VT2.3 XP1.1 XP1.2 XP1.3 XP1.4 XP1.5 XP1.6 XP1.7 XP1.8 XP1.9 XP1.10 XP1.11 XP1.12 XP1.13 XP1.14 XP1.15 XP1.16 XP1.17 XP1.18 XP1.19 XP1.20 XP1.21 XP1.22 XP1.23 XP1.24 XP1.25 XP1.26 XP1.27 XP1.28 XP1.29 XP1.30 XP1.31 XP1.32 XP1.33 XP1.34 XP1.35 XP1.36 XP1.37 XP1.38 XP1.39 XP1.40 XP1_1.1 XP1_1.2 XP1_1.3 XP1_1.4 XP1_1.5 XP1_1.6 XP1_1.11 XP1_1.12 XP1_1.13 XP1_1.14 XP1_1.15 XP1_1.16 XP1_1.18 XP1_1.20 XP1_1.21 XP1_1.22 XP1_1.23 XP1_1.24 XP1_1.26 XP1_1.28 XP1_1.30 XP1_1.32 XP1_1.35 XP1_2.1 XP1_2.2 XP1_2.3 XP1_2.4 XP1_2.5 XP1_2.6 XP1_2.11 XP1_2.12 XP1_2.13 XP1_2.14 XP1_2.15 XP1_2.16 XP1_2.18 XP1_2.20 XP1_2.21 XP1_2.22 XP1_2.23 XP1_2.24 XP1_2.26 XP1_2.28 XP1_2.30 XP1_2.32 XP1_2.35 XP2.1 XP2.2 XP2.3 XP2.4 XP2.5 XP2.6 XP2.7 XP2.8 XP2.9 XP2.10 XP2.11 XP2.12 XP2.13 XP2.14 XP2.15 XP2.16 XP2.17 XP2.18 XP2.19 XP2.20 XP2.21 XP2.22 XP2.23 XP2.24 XP2.25 XP2.26 XP2.27 XP2.28 XP2.29 XP2.30 XP2.31 XP2.32 XP2.33 XP2.34 XP2.35 XP2.36 XP2.37 XP2.38 XP2.39 XP2.40 XP2_1.8 XP2_1.10 XP2_1.12 XP2_1.14 XP2_1.16 XP2_1.18 XP2_1.22 XP2_1.32 XP2_1.33 XP2_1.34 XP2_1.35 XP2_1.36 XP2_2.8 XP2_2.10 XP2_2.12 XP2_2.14 XP2_2.16 XP2_2.18 XP2_2.22 XP2_2.32 XP2_2.33 XP2_2.34 XP2_2.35 XP2_2.36 XP3.1 XP3.2 XP3.3 XP3.4 XP3.5 XP3.6 XP3.7 XP3.8 XP3.9 XP3.10 XP3.11 XP3.12 XP3.13 XP3.14 XP3.15 XP3.16 XP3.17 XP3.18 XP3.19 XP3.20 XP3.21 XP3.22 XP3.23 XP3.24 XP3.25 XP3.26 XP3.27 XP3.28 XP3.29 XP3.30 XP3.31 XP3.32 XP3.33 XP3.34 XP3.35 XP3.36 XP3.37 XP3.38 XP3.39 XP3.40 XP3_1.5 XP3_1.7 XP3_1.13 XP3_1.15 XP3_1.16 XP3_1.17 XP3_1.18 XP3_1.19 XP3_1.20 XP3_1.21 XP3_1.22 XP3_1.31 XP3_1.33 XP3_1.34 XP3_2.5 XP3_2.7 XP3_2.13 XP3_2.15 XP3_2.16 XP3_2.17 XP3_2.18 XP3_2.19 XP3_2.20 XP3_2.21 XP3_2.22 XP3_2.31 XP3_2.33 XP3_2.34 XP4.1 XP4.2 XP4.3 XP4.4 XP4.5 XP4.6 XP4.7 XP4.8 XP4.9 XP4.10 XP4.11 XP4.12 XP4.13 XP4.14 XP4.15 XP4.16 XP4.17 XP4.18 XP4.19 XP4.20 XP4.21 XP4.22 XP4.23 XP4.24 XP4.25 XP4.26 XP4.27 XP4.28 XP4.29 XP4.30 XP4.31 XP4.32 XP4.33 XP4.34 XP4.35 XP4.36 XP4.37 XP4.38 XP4.39 XP4.40 XP4_1.6 XP4_1.8 XP4_1.11 XP4_1.13 XP4_1.18 XP4_1.19 XP4_1.20 XP4_1.21 XP4_1.23 XP4_1.25 XP4_1.26 XP4_1.27 XP4_1.28 XP4_1.29 XP4_1.30 XP4_1.35 XP4_1.36 XP4_1.37 XP4_1.38 XP4_1.39 XP4_1.40 XP4_2.6 XP4_2.8 XP4_2.11 XP4_2.13 XP4_2.18 XP4_2.19 XP4_2.20 XP4_2.21 XP4_2.23 XP4_2.25 XP4_2.26 XP4_2.27 XP4_2.28 XP4_2.29 XP4_2.30 XP4_2.35 XP4_2.36 XP4_2.37 XP4_2.38 XP4_2.39 XP4_2.40 XS1. XS1.A1_B12 XS1.A4_B9 XS1.A5 XS1.A6 XS1.A7 XS1.A8 XS1.B1_A12 XS1.B4_A9 XS1.B5 XS1.B6 XS1.B7 XS1.B8 XS1.S1 XS1.S2 XS1.S3 XS1.S4 XS2.1 XS2.2 XS2.3 XS2.4 XS2.5 XS2.6 XS2.7 XS2.8 XS2.9 XS2.10 XS2.11 XS2.12 XS2.13 XS2.14 XS2.15 XS2.16 XS2.17 XS2.18 XS2.19 XS2.20 XS2.21 XS2.22 XS2.23 XS2.24 XS2.25 XS2.26 XS2.27 XS2.28 XS2.29 XS2.30 XS2.31 XS2.32 XS2.33 XS2.34 XS2.35 XS2.36 XS2.37 XS2.38 XS2.39 XS2.40 XS3.1 XS3.2 XS3.3 XS3.4 XS3.5 XS3.6 XS3.7 XS3.8 XS3.9 XS3.10 XS3.11 XS3.12 XS3.13 XS3.14 XS3.15 XS3.16 XS3.17 XS3.18 XS3.19 XS3.20 XS3.21 XS3.22 XS3.23 XS3.24 XS3.25 XS3.26 XS3.27 XS3.28 XS3.29 XS3.30 XS3.31 XS3.32 XS3.33 XS3.34 XS3.35 XS3.36 XS3.37 XS3.38 XS3.39 XS3.40 XS4.1 XS4.2 XS4.3 XS4.4 XS4.5 XS4.6 XS4.7 XS4.8 XS4.9 XS4.10 XS4.11 XS4.12 XS4.13 XS4.14 XS4.15 XS4.16 XS4.17 XS4.18 XS4.19 XS4.20 XS4.21 XS4.22 XS4.23 XS4.24 XS4.25 XS4.26 XS4.27 XS4.28 XS4.29 XS4.30 XS4.31 XS4.32 XS4.33 XS4.34 XS4.35 XS4.36 XS4.37 XS4.38 XS4.39 XS4.40 XS5.1 XS5.2 XS5.3 XS5.4 XS5.5 XS5.6 XS5.7 XS5.8 XS5.9 XS5.10 XS5.11 XS5.12 XS5.13 XS5.14 XS5.15 XS5.16 XS5.17 XS5.18 XS5.19 XS5.20 XS5.21 XS5.22 XS5.23 XS5.24 XS5.25 XS5.26 XS5.27 XS5.28 XS5.29 XS5.30 XS5.31 XS5.32 XS5.33 XS5.34 XS5.35 XS5.36 XS5.37 XS5.38 XS5.39 XS5.40 XTAL1.1 XTAL1.2 XTAL1.3 XTAL1.4 XW1.1 XW1.2 XW1.3 XW2.1 XW2.2 XW2.3 XW3.1 XW3.2 XW3.3